# Altium PCB STM32F207VC_Mini.PcbDoc
Units mil, origin at the board's own origin, x right, y up, seen from the top; angles counter-clockwise.
Board outline 2755.91 x 2756.69 mil, 2 copper layers (Top Layer, Bottom Layer); 60 components, 104 nets, 313 pads, 50 vias.
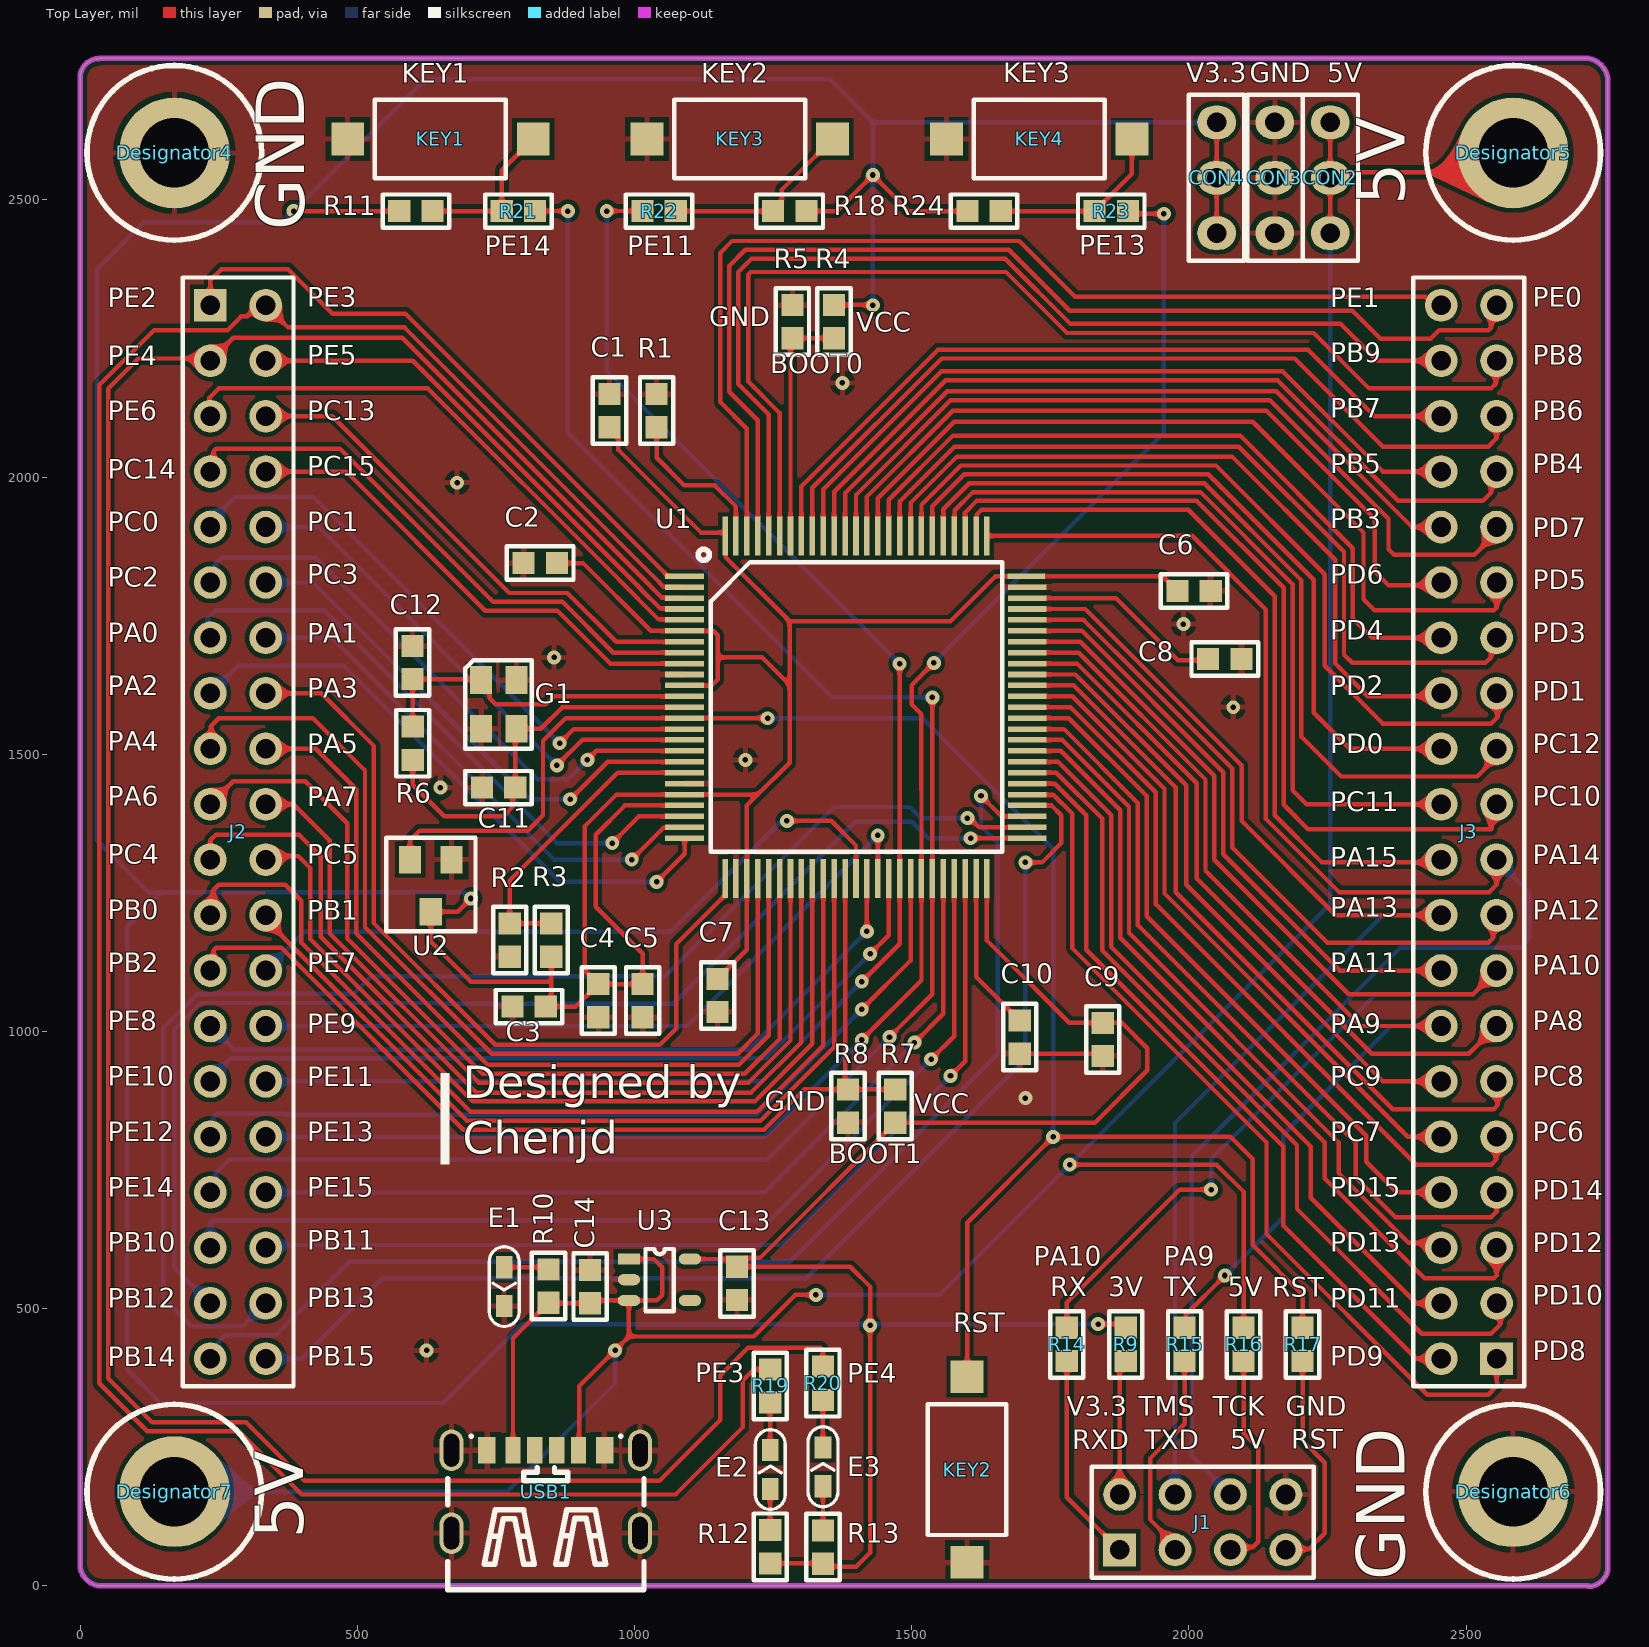
[diagram p0: Top Layer view]
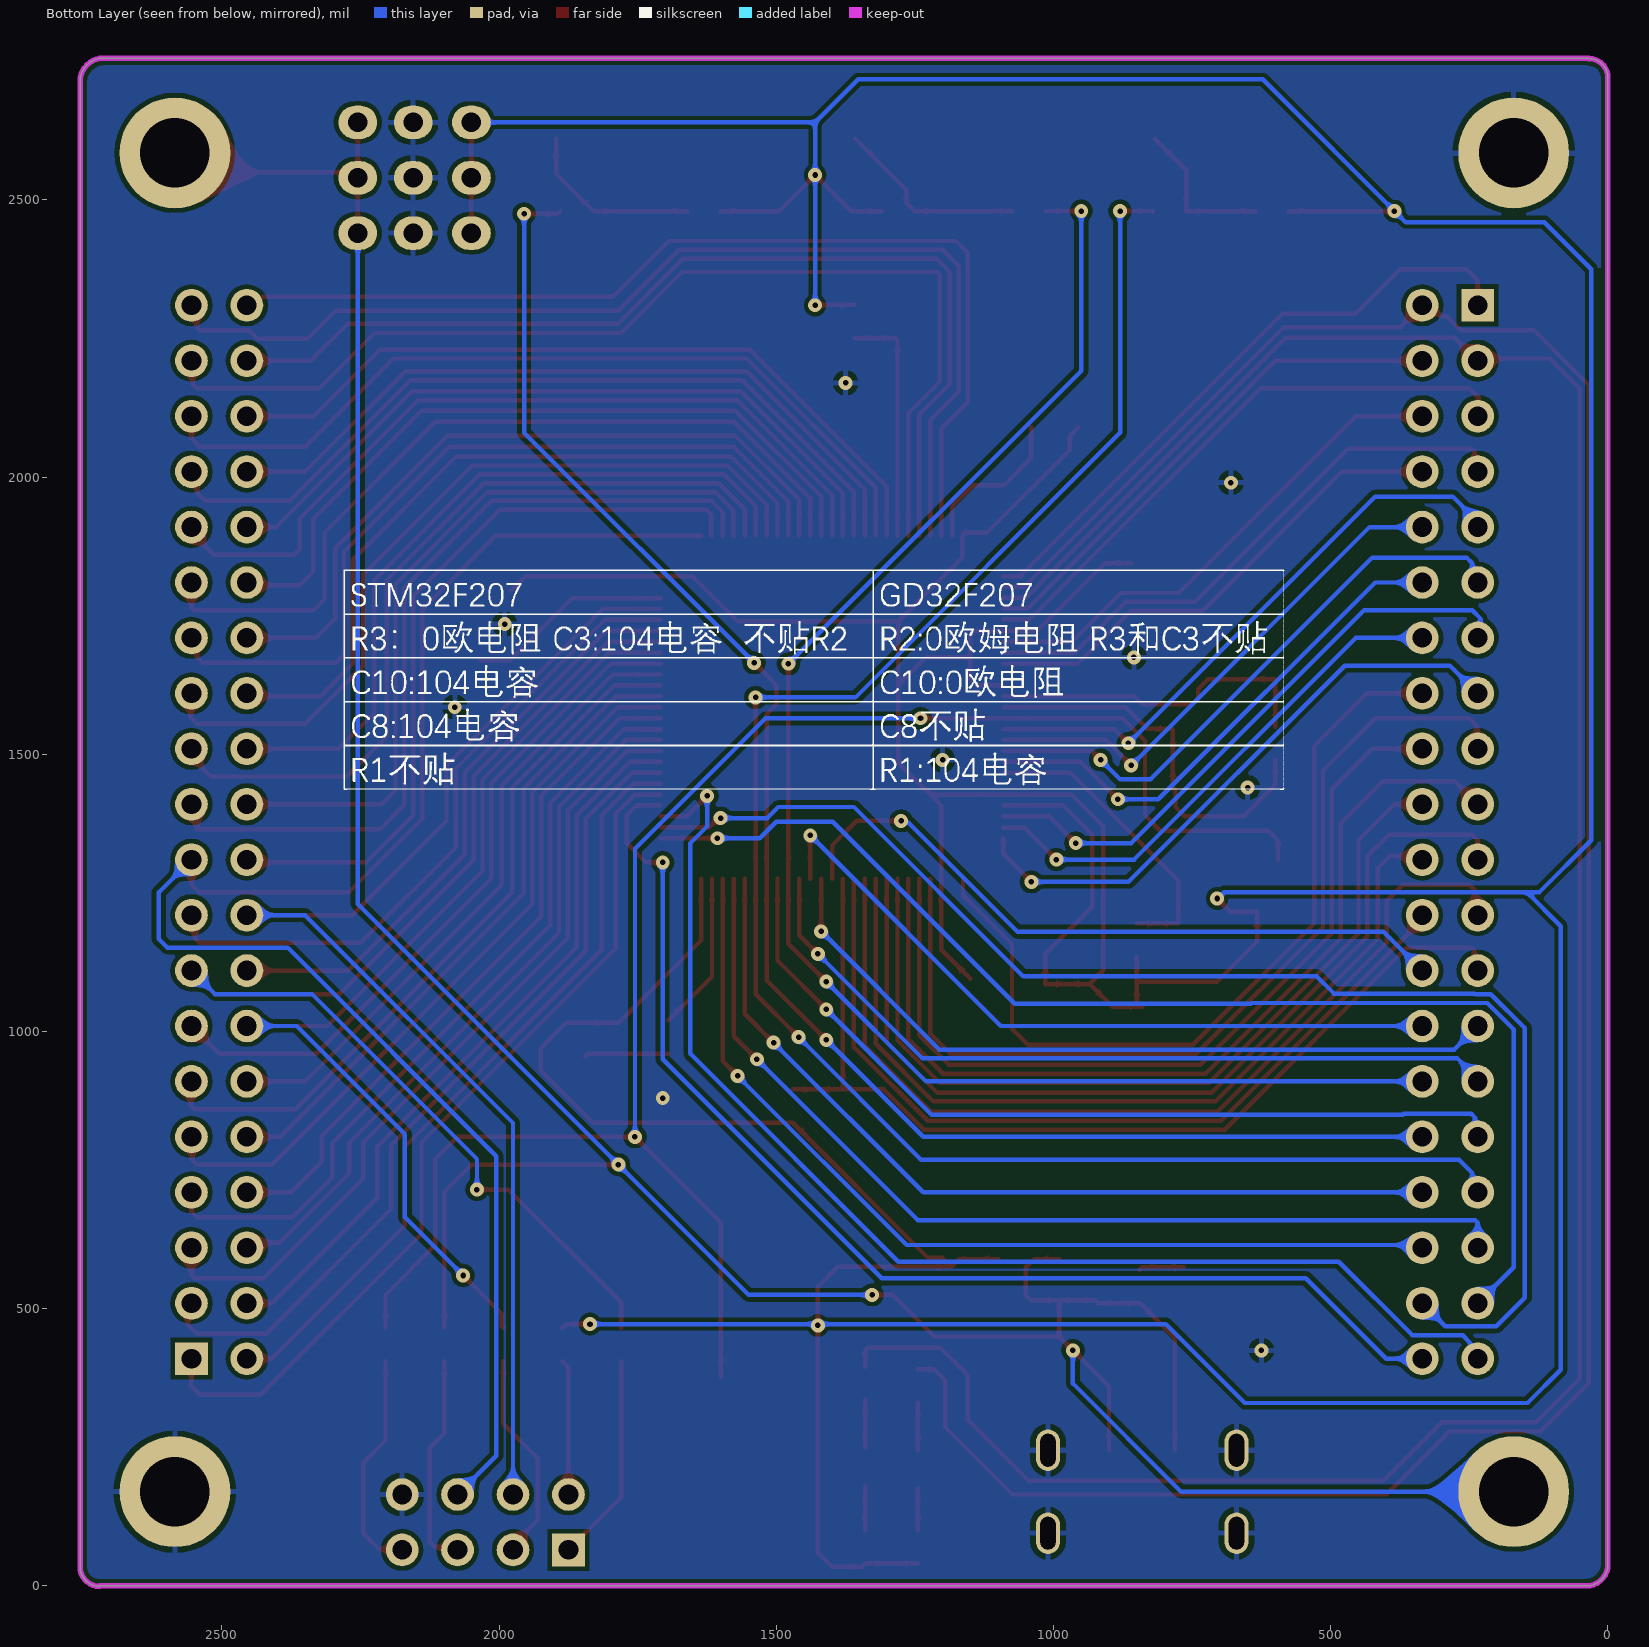
[diagram p1: Bottom Layer view, seen from below]

## Layer stack, top to bottom
Top Solder: solder mask 0.4, Solder Resist, Dk 3.5
Top Layer: signal copper 1.4
Dielectric 1: dielectric 12.6, FR-4, Dk 4.8
Bottom Layer: signal copper 1.4
Bottom Solder: solder mask 0.4, Solder Resist, Dk 3.5

## Board outline
0,39.37 0,2720.56 cw(c34.56,2720.56) 34.56,2755.12 34.56,2755.91 2713.38,2755.91 cw(c2713.38,2713.38) 2755.91,2713.38 2755.91,34.56 cw(c2720.56,34.56) 2720.56,-0.78 2720.56,0 39.37,0 cw(c39.37,39.37)

## Design rules (kind name [scope] priority, off if disabled: settings)
Clearance [All] p1: gap=8 ignorepadtopadclearanceinfootprint=FALSE except(0: Arc-Hole Track-Hole SMDPad-Hole THPad-Hole Via-Hole Fill-Hole Poly-Hole Region-Hole Text-Hole)
PolygonConnect [All] p1: connectstyle=Relief reliefconductorwidth=10 reliefentries=4 polygonreliefangle="90 Angle" airgapwidth=10
RoutingVias [All] p1: holewidth=7.87 width=19.68 viastyle="Through Hole" minholewidth=28 minwidth=50 maxholewidth=28 maxwidth=50
SolderMaskExpansion [All] p1: expansion=4 istentingtop=FALSE
Width [All] p1: maxlimit=8 minlimit=8 preferedwidth=8
30 further rules are at their usual default settings.

## Classes and differential pairs
component class STM32F207VC_Mini: C1 C2 C3 C4 C5 C6 C7 C8 C9 C10 C11 C12 C13 C14 CON2 CON3 CON4 E1 E2 E3 G1 J1 J2 J3 KEY1 KEY3 KEY4 R1 R2 R3 R4 R5 R6 R7 R8 R9 R10 R11 R12 R13 R14 R15 R16 R17 R18 R19 R20 R21 R22 R23 R24 U1 U2 U3 USB1

## Components (designator, comment, footprint, x,y, rotation, side; value= is the part's Value field where it differs from the comment)
C1 "4.7u" 0603 954.77,2090.68 r90 top
C2 "104" 0603 800.68,1845.23 r0 top
C3 "104" 0603 780.68,1045.23 r0 top
C4 "105" 0603 935,1085 r270 top
C5 "104" 0603 1015,1085 r270 top
C6 "104" 0603 1980,1795 r0 top
C7 "104" 0603 1150.23,1094.32 r270 top
C8 "2.2u" 0603 2094.06,1671.81 r180 top
C9 "104" 0603 1845,1015 r270 top
C10 "2.2u" 0603 1694.77,960.68 r90 top
C11 "18pF" 0603 725.68,1440.23 r0 top
C12 "18pF" 0603 600,1695 r270 top
C13 "10uF" 0603 1185,575 r270 top
C14 "10uF" 0603 919.77,510.68 r90 top
CON2 "CON3" "3 PIN" 2255,2440 r90 top
CON3 "CON3" "3 PIN" 2155,2440 r90 top
CON4 "CON3" "3 PIN" 2050,2440 r90 top
Designator4 "Comment" M3x10_L 170,2585 r0 top
Designator5 "Comment" M3x10_L 2585,2585 r0 top
Designator6 "Comment" M3x10_L 2585,170 r0 top
Designator7 "Comment" M3x10_L 170,170 r0 top
E1 "LED" LED_0603L 765,585 r270 top
E2 "LED" LED_0603L 1245,165 r90 top
E3 "LED" LED_0603L 1340,170 r90 top
G1 "25MHz(无源贴片)" G3225 755,1590 r270 top
J1 "Female HDR2X4" Fe-HDR2X4/2.54-S 1875,65 r0 top
J2 "Pin HDR2X20" "Pin HDR2X20/2.54mm-S" 235,2310 r270 top
J3 "Pin HDR2X20" "Pin HDR2X20/2.54mm-S" 2555,410 r90 top
KEY1 "H-3650AADW(NC)" SW_PB_2P 650,2610 r180 top value=SW_PB_2P
KEY2 "H-3650AADW(NC)" SW_PB_2P 1600,210 r270 top value=SW_PB_2P
KEY3 "H-3650AADW(NC)" SW_PB_2P 1190,2610 r180 top value=SW_PB_2P
KEY4 "H-3650AADW(NC)" SW_PB_2P 1730,2610 r180 top value=SW_PB_2P
R1 "0" 0603 1039.77,2090.68 r90 top
R2 "0" 0603 774.77,1135.68 r90 top
R3 "0" 0603 849.77,1135.68 r90 top
R4 "1k" 0603 1360,2310 r270 top
R5 "1k" 0603 1285,2310 r270 top
R6 "1M" 0603 599.77,1490.68 r90 top
R7 "1K" 0603 1470,836.26 r90 top
R8 "1k" 0603 1385,836.26 r90 top
R9 "0" 0603 1885.84,406.37 r90 top
R10 "1K" 0603 845,570 r270 top
R11 "1k" 0603 635,2479.53 r180 top
R12 "1k" 0603 1245,100 r270 top
R13 "1k" 0603 1340.23,99.32 r270 top
R14 "0" 0603 1780,465 r270 top
R15 "0" 0603 1992.62,465 r270 top
R16 "0" 0603 2098.93,465 r270 top
R17 "0" 0603 2205.23,465 r270 top
R18 "1k" 0603 1250.68,2480 r0 top
R19 "0" 0603 1245,390 r270 top
R20 "0" 0603 1340,395 r270 top
R21 "0" 0603 820,2479.53 r180 top
R22 "0" 0603 1015,2480 r0 top
R23 "0" 0603 1889.32,2479.53 r180 top
R24 "1k" 0603 1660,2479.53 r180 top
U1 "STM32F207VCT6" LQFP-100 1400,1585 r0 top
U2 "MAX809" SOT32-809 595.2,1310.52 r270 top
U3 "SPX3819" SOT-23-5 990,589.8 r0 top
USB1 "TYPE-C 6P(073)" USB-C-6P 840,170 r0 top

## Footprints (in the part's own frame and the unit in brackets; to place one, negate y for a bottom-side part, rotate by r counter-clockwise, add the part's x,y. Pads: shape width x height; smd on the part's side, far side on the other; paste and mask are expansions set on the pad)
"3 PIN" [mil] "3脚传感器"
  oval 60x70 hole 35: 1(0,0) 2(100,0) 3(200,0)
  silkscreen extent -50,-50 250,50, body extent -50,-55 250,45, height 453
0603 [mil] "0603封装"
  rect 40x40 smd: 1(-0.68,-0.23) 2(59.32,-0.23)
  silkscreen extent -31,-30 89,30, body extent -1,-16 62,16, height 18
Fe-HDR2X4/2.54-S [mm] "Connector; Header; 4x2 Position"
  rect 1.5x1.5 hole 0.9: 1(0,0)
  round 1.5 hole 0.9: 2(0,2.54) 3(2.54,0) 4(2.54,2.54) 5(5.08,0) 6(5.08,2.54) 7(7.62,0) 8(7.62,2.54)
  silkscreen extent -1.27,-1.27 8.89,3.81, body extent -1.27,-1.23 9.14,3.77, height 8.5
G3225 [mil] "3225贴片晶振"
  rect 50x40 smd: 1(-44,-32) 2(44,-32) 3(44,32) 4(-44,32)
  silkscreen extent -80,-60 80,60, body extent -63,-49 63,49, height 32
LED_0603L [mil] "LED"
  rect 40x30 smd: 1(10,0) 2(80,0)
  silkscreen extent -27,-27 117,27, body extent 14,-16 77,16, height 24
LQFP-100 [mil]
  rect 70x10 smd: 1(-309.5,236.22) 2(-309.5,216.53) 3(-309.5,196.85) 4(-309.5,177.16) 5(-309.5,157.48) 6(-309.5,137.79) 7(-309.5,118.11) 8(-309.5,98.42) 9(-309.5,78.74) 10(-309.5,59.05) 11(-309.5,39.37) 12(-309.5,19.68) 13(-309.5,0) 14(-309.5,-19.69) 15(-309.5,-39.37) 16(-309.5,-59.06) 17(-309.5,-78.74) 18(-309.5,-98.43) 19(-309.5,-118.11) 20(-309.5,-137.8) 21(-309.5,-157.48) 22(-309.5,-177.17) 23(-309.5,-196.85) 24(-309.5,-216.54) 25(-309.5,-236.22) 51(308.61,-236.22) 52(308.61,-216.54) 53(308.61,-196.85) 54(308.61,-177.17) 55(308.61,-157.48) 56(308.61,-137.8) 57(308.61,-118.11) 58(308.61,-98.43) 59(308.61,-78.74) 60(308.61,-59.06) 61(308.61,-39.37) 62(308.61,-19.69) 63(308.61,0) 64(308.61,19.68) 65(308.61,39.37) 66(308.61,59.05) 67(308.61,78.74) 68(308.61,98.42) 69(308.61,118.11) 70(308.61,137.79) 71(308.61,157.48) 72(308.61,177.16) 73(308.61,196.85) 74(308.61,216.53)
  rect 10x70 smd: 26(-236.67,-309.06) 27(-216.98,-309.06) 28(-197.3,-309.06) 29(-177.61,-309.06) 30(-157.93,-309.06) 31(-138.24,-309.06) 32(-118.55,-309.06) 33(-98.87,-309.06) 34(-79.18,-309.06) 35(-59.5,-309.06) 36(-39.82,-309.06) 37(-20.13,-309.06) 38(-0.45,-309.06) 39(19.24,-309.06) 40(38.93,-309.06) 41(58.61,-309.06) 42(78.3,-309.06) 43(97.98,-309.06) 44(117.66,-309.06) 45(137.35,-309.06) 46(157.03,-309.06) 47(176.72,-309.06) 48(196.41,-309.06) 49(216.09,-309.06) 50(235.78,-309.06) 76(235.78,309.05) 77(216.09,309.05) 78(196.41,309.05) 79(176.72,309.05) 80(157.04,309.05) 81(137.35,309.05) 82(117.67,309.05) 83(97.98,309.05) 84(78.3,309.05) 85(58.61,309.05) 86(38.93,309.05) 87(19.24,309.05) 88(-0.44,309.05) 89(-20.13,309.05) 90(-39.81,309.05) 91(-59.5,309.05) 92(-79.18,309.05) 93(-98.87,309.05) 94(-118.55,309.05) 95(-138.24,309.05) 96(-157.93,309.05) 97(-177.61,309.05) 98(-197.3,309.05) 99(-216.98,309.05) 100(-236.66,309.05)
  rect 68x10 smd: 75(306.61,236.22)
  silkscreen extent -285,-261 263,285, body extent -316,-321 315,309, height 57
M3x10_L [mil] "M3铜柱，长：10mm"
  round 200 hole 125: 1(0,0)
  silkscreen extent -157,-157 157,157, body extent -106,-93 106,93, height 396
"Pin HDR2X20/2.54mm-S" [mm] "Connector; Header; 20x2 Position"
  rect 1.5x1.5 hole 0.9: 1(0,0)
  round 1.5 hole 0.9: 2(0,2.54) 3(2.54,0) 4(2.54,2.54) 5(5.08,0) 6(5.08,2.54) 7(7.62,0) 8(7.62,2.54) 9(10.16,0) 10(10.16,2.54) 11(12.7,0) 12(12.7,2.54) 13(15.24,0) 14(15.24,2.54) 15(17.78,0) 16(17.78,2.54) 17(20.32,0) 18(20.32,2.54) 19(22.86,0) 20(22.86,2.54) 21(25.4,0) 22(25.4,2.54) 23(27.94,0) 24(27.94,2.54) 25(30.48,0) 26(30.48,2.54) 27(33.02,0) 28(33.02,2.54) 29(35.56,0) 30(35.56,2.54) 31(38.1,0) 32(38.1,2.54) 33(40.64,0) 34(40.64,2.54) 35(43.18,0) 36(43.18,2.54) 37(45.72,0) 38(45.72,2.54) 39(48.26,0) 40(48.26,2.54)
  silkscreen extent -1.27,-1.27 49.53,3.81, body extent -1.27,-1.27 49.53,3.81, height 7.58
SOT32-809 [mil] "ESD"
  rect 50x40 smd: 1(0.52,74.8) 2(0.52,0) 3(94.43,37.4)
  silkscreen extent -39,-43 129,118, body extent 5,-24 96,94, height 28
SOT-23-5 [mil] "SPX3819"
  rect 40x20 smd: 1(0,0)
  oval 40x20 smd: 2(0,-37.4) 3(0,-74.8) 4(110,-74.8) 5(110,0)
  silkscreen extent 30,-94 81,18, body extent -13,-100 125,18, height 43
SW_PB_2P [mm] "2脚贴片按钮"
  rect 1.5x1.5 smd: 1(-4.25,0) 2(4.25,0)
  silkscreen extent -3,-1.8 3,1.8, body extent -3.28,-1.57 3.32,1.63, height 1.9
USB-C-6P [mm] "USB type C 6P"
  oval 1.1x1.9 hole 0.7 slot 1.5 at 90 deg: 7(-4.32,-1.9) 7(-4.32,1.9) 7(4.32,-1.9) 7(4.32,1.9)
  rect 0.7x1.2 smd: A5(-0.5,1.9) A9(1.5,1.9) B5(0.5,1.9) B9(-1.5,1.9)
  rect 0.8x1.2 smd: A12(2.7,1.9) B12(-2.7,1.9)
  silkscreen extent -4.5,-4.5 4.5,2.55, body extent -4.4,-4.49 4.54,2.31, height 4.06

## Part data
C1 C2 C3 C4 C5 C6 C7 C8 C9 C10: library part CAP, "贴片电容"
C11 C12: library part CAP, "无极电容"
C13 C14: library part "CAP Nonpolarity", "无极电容"
CON2 CON3 CON4: "3 pin"
E1 E2 E3: "LED灯"
G1: library part MM-11B, "无源晶振MCU使用"
KEY1 KEY2 KEY3 KEY4: library part SW_PB_2P, "贴片按钮-2PIN(NC)", Manufacturer=?, CLASS=IO, Manufacturer_Part_Number=?, MFG_NAME01=?, MFG_PN01=?, PCB DECAL=SWEVQPA, Source_Path=E:\PROJECT\FREESCALE\IMX6\SCH\IMX_LIBRARY.OLB
R1 R2 R3 R4 R5 R6 R7 R8 R9 R10 R11 R12 R13 R14 R15 R16 R17 R18 R19 R20 R21 R22 R23 R24: library part R, "电阻"
U1: library part STM32F207-1
U2: "复位IC"
U3: "稳压器"
USB1: library part "USB-TYPE-C 6P", "6脚usb type-c接口", BOM_Manufacturer="SHOU HAN", BOM_Manufacturer Part="TYPE-C 6P(073)", BOM_Supplier=LCSC, BOM_Supplier Part=C668623, Contributor=LCSC, spicePre=U, spiceSymbolName="TYPE-C 6P(073)"

## Via types
v1: diameter 25, hole 10, Top Layer to Bottom Layer, tented both sides, 50 vias

## Nets (pads, with @x,y where several pads share a name; then routed paths per layer and width w, separated by ;. In a path a pad name is that pad's centre, name@x,y a point inside that pad or via, vN(x,y) a via of type N, cw(c..) or ccw(c..) an arc to the next point about the centre after c; other vN are vias at no path point)
BOOT0: R4.2 R5.2 U1.94 | length 433
  Top Layer w8: U1.94 1281.45,2247.36 R5.2 R4.2
BOOT1: J2.25 R7.2 R8.2 U1.37 | length 1819.3
  Top Layer w8: J2.25 240.89,1115.89 240.89,1146.84 245.57,1151.53 362.71,1151.53 691.24,823 1233.76,823 1306.34,895.57 R8.2 ; U1.37 1379.87,900.94 R8.2 ; R7.2 R8.2
GND: C1.2 C2.1 C3.1 C4.2 C5.2 C6.2 C7.2 C8.1 C9.2 C10.1 C11.1 C12.1 C13.2 C14.2 CON3.1 CON3.2 CON3.3 Designator4.1 Designator6.1 E1.2 G1.2 G1.4 J1.8 KEY1.2 KEY2.2 KEY3.2 KEY4.2 R1.2 R2.1 R5.1 R8.1 U1.10 U1.20 U1.27 U1.74 U2.1 U3.2 USB1.7 USB1.A12 USB1.B12 | length 151.6
  Top Layer w8: C10.1 1840.45,960 C9.2
  other v1: 625,425 1705,880 650,1440 1200,1490 2080,1585 855,1675 1990,1735 680,1990 1375,2170
Jlink_TCK: J1.6 J3.19 U1.76 | length 3034.9
  Top Layer w8: U1.76 2005.95,1894.05 2139,1761 2139,1383.37 2270.85,1251.53 2541.53,1251.53 2555,1265 J3.19
  Bottom Layer w8: J1.6 2005,235 2005,775 2381.53,1151.53 2598.47,1151.53 2614,1167.06 2614,1251 J3.19
Jlink_TMS: J1.4 J3.18 U1.72 | length 2339.1
  Top Layer w8: U1.72 1812.93,1762.16 2095,1480.09 2095,1380 2265,1210 J3.18
  Bottom Layer w8: J1.4 1975,835 2350,1210 J3.18
KEY1: J2.33 R21.1 U1.45 | length 3314.8
  Top Layer w8: R21.1 820.92,2480 v1(880,2480) ; v1(1460,990) 1537.35,1067.35 U1.45 v1(1537.35,1602.65)
  Bottom Layer w8: J2.33 244.77,719.77 244.77,744.77 268.47,768.47 1238.47,768.47 v1(1460,990) ; v1(880,2480) 880,2080 1357.35,1602.65 v1(1537.35,1602.65)
KEY2: J2.30 R22.1 U1.42 | length 2851.1
  Top Layer w8: v1(950,2480) 1014.08,2480 R22.1 ; v1(1410,1090) 1478.3,1158.3 U1.42 v1(1478.3,1663.3)
  Bottom Layer w8: J2.30 1230,910 v1(1410,1090) ; v1(950,2480) 950,2191.59 v1(1478.3,1663.3)
KEY3: J2.32 R23.1 U1.44 | length 2944.8
  Top Layer w8: v1(1410,985) 1517.66,1092.66 U1.44 1517.66,1436.24 1517.61,1436.29 1517.61,1572.39 1500,1590 1500,1625 v1(1540,1665) ; R23.1 1894.77,2475 v1(1955,2475)
  Bottom Layer w8: J2.32 1235,810 v1(1410,985) ; v1(1540,1665) 1955,2080 v1(1955,2475)
MCU_LED: J2.3 R20.1 U1.3 | length 4604.8
  Top Layer w8: U1.3 1089.5,1782.85 1049.27,1782.85 1027.5,1804.62 1027.5,1805.13 581.1,2251.53 276.53,2251.53 J2.3 231,2214 105,2214 50.5,2159.5 50.5,374.5 130,295 300,295 405,190 1045,190 1155,300 1155,380 1205,430 1335.08,430 1339.77,425.31 R20.1
MCU_LED2: J2.2 R19.1 U1.2 | length 4563.8
  Top Layer w8: U1.2 1089.5,1802.53 1052.21,1802.53 1043.5,1811.25 1043.5,1811.75 585.25,2270 375,2270 J2.2 321.18,2310 301.18,2290 290,2290 290,2288.97 266.03,2265 133.37,2265 34.5,2166.13 34.5,365.5 121,279 286,279 400,165 1074.08,165 1195,285.92 1195,370 1215.68,390.68 R19.1
MCU_RST: KEY2.1 R17.1 U1.14 U2.2 | length 3197.4
  Top Layer w8: U2.2 595.2,1345.2 612.4,1362.4 807.4,1362.4 835,1390 835,1524.65 875.67,1565.31 U1.14 1239.69,1565.31 v1(1240,1565) ; KEY2.1 1600,655 v1(1755,810) 2075,810 2115,770 2115,615 2205,525 R17.1
  Bottom Layer w8: v1(1240,1565) 1519.65,1565 1755,1329.65 v1(1755,810)
MCU_RXD: J3.15 R14.1 U1.69 | length 2316.9
  Top Layer w8: U1.69 1804.1,1703.11 2046,1461.21 2046,1310 2288.47,1067.53 2512.53,1067.53 J3.15 ; R14.1 1780,465.92 1780,511.57 1983.43,715 v1(2040,715)
  Bottom Layer w8: v1(2040,715) 2040,770 2337.62,1067.62 2512.62,1067.62 J3.15
MCU_TXD: J3.14 R15.1 U1.68 | length 1910.8
  Top Layer w8: U1.68 1801.16,1683.42 2030,1454.58 2030,1290 2310,1010 J3.14 J3.14@2455.26,1010.26 ; R15.1 1995,468.3 1995,490 v1(2065,560)
  Bottom Layer w8: v1(2065,560) 2170,665 2170,815 2365,1010 J3.14
NetC8_2: C8.2 U1.73 | length 373.3
  Top Layer w8: U1.73 1868.15,1781.85 1980,1670 2032.7,1670 C8.2
NetC10_2: C10.2 U1.49 | length 288.6
  Top Layer w8: U1.49 1616.09,1098.91 C10.2
NetE1_1: E1.1 R10.1 | length 81.6
  Top Layer w8: E1.1 840.45,575 R10.1
NetE2_1: E2.1 R12.1 | length 74.4
  Top Layer w8: R12.1 1244.77,174.77 E2.1
NetE2_2: E2.2 R19.2 | length 85.8
  Top Layer w8: R19.2 1244.77,245.23 E2.2
NetE3_1: E3.1 R13.1 | length 80
  Top Layer w8: R13.1 E3.1
NetE3_2: E3.2 R20.2 | length 85.8
  Top Layer w8: R20.2 1339.77,250.23 E3.2
NetJ1_1: J1.1 R14.2 | length 380.1
  Top Layer w8: R14.2 1779.77,160.23 J1.1
NetJ1_2: J1.2 R9.1 | length 245.3
  Top Layer w8: J1.2 1875,394.61 R9.1
NetJ1_3: J1.3 R15.2 | length 385.2
  Top Layer w8: J1.3 1975,75 1930,120 1930,230 1992.38,292.38 R15.2
NetJ1_5: J1.5 R16.2 | length 392.8
  Top Layer w8: J1.5 2080,70 2115,70 2125,80 2125,249.19 2098.69,275.5 R16.2
NetJ1_7: J1.7 R17.2 | length 409.7
  Top Layer w8: J1.7 2176.53,66.53 2216.53,66.53 2245,95 2245,222.34 2205,262.34 R17.2
NetKEY1_1: KEY1.1 R11.1 R21.2 | length 278.7
  Top Layer w8: R11.1 R21.2 760.68,2553.36 KEY1.1
NetKEY3_1: KEY3.1 R18.1 R22.2 | length 350.4
  Top Layer w8: R22.2 R18.1 1266,2495.77 1266,2518.68 KEY3.1
NetKEY4_1: KEY4.1 R23.2 R24.1 | length 327.4
  Top Layer w8: R24.1 R23.2 1897.32,2547.09 KEY4.1
NetR1_1: R1.1 U1.99 | length 287.4
  Top Layer w8: R1.1 1040,2035 1090,1985 1145,1985 1183.02,1946.98 U1.99
NetR2_2: R2.2 R3.2 U1.19 | length 548.4
  Top Layer w8: R3.2 R2.2 775,1272.37 969.52,1466.89 U1.19
OSCIN: C12.2 G1.1 R6.2 U1.12 | length 611.5
  Top Layer w8: R6.2 599.77,1550.23 C12.2 721.32,1635.68 G1.1 739,1618 739,1601 750,1590 840,1590 854.68,1604.68 U1.12
OSCOUT: C11.2 G1.3 R6.1 U1.13 | length 718.9
  Top Layer w8: R6.1 600,1445 656.69,1388.31 763.31,1388.31 780,1405 780,1435 C11.2 785,1544 G1.3 831,1546 870,1585 U1.13
PA0: J2.13 U1.23 | length 1097.7
  Top Layer w8: v1(960,1340) 1008.15,1388.15 U1.23
  Bottom Layer w8: J2.13 230,1715 230,1745 245,1760 440,1760 860,1340 v1(960,1340)
PA1: J2.14 U1.24 | length 945.4
  Top Layer w8: v1@995,1310 v1(995,1310.25) 1052.21,1367.46 1089.5,1367.46 U1.24
  Bottom Layer w8: J2.14 455,1710 854.75,1310.25 v1(995,1310.25)
PA2: J2.15 U1.25 | length 1086.9
  Top Layer w8: v1(1040,1270) 1090.5,1320.5 U1.25
  Bottom Layer w8: J2.15 285,1660 475,1660 865,1270 v1(1040,1270)
PA3: J2.16 U1.26 | length 1509.6
  Top Layer w8: J2.16 435,1610 530,1515 530,1195 749,976 1046,976 1075,1005 1075,1157.61 1163.33,1245.94 U1.26
PA4: J2.17 U1.29 | length 1744.4
  Top Layer w8: J2.17 236.53,1511.53 236.53,1551.53 250,1565 420,1565 514,1471 514,1188.37 742.37,960 1186.05,960 1222.39,996.34 U1.29
PA5: J2.18 U1.30 | length 1600.1
  Top Layer w8: J2.18 425,1510 498,1437 498,1177 735,940 1188.68,940 1242.07,993.4 U1.30
PA6: J2.19 U1.31 | length 1699.3
  Top Layer w8: J2.19 276.53,1451.53 406.1,1451.53 482,1375.63 482,1168 726,924 1199,924 1261.76,986.76 U1.31
PA7: J2.20 U1.32 | length 1576.1
  Top Layer w8: J2.20 385,1410 450,1345 450,1177.37 719.37,908 1205.63,908 1281.45,983.82 U1.32
PA8: J3.13 U1.67 | length 1259.3
  Top Layer w8: U1.67 1798.22,1663.74 2014,1447.96 2014,1276 2330,960 2505,960 J3.13
PA11: J3.16 U1.70 | length 1086.8
  Top Layer w8: U1.70 1807.04,1722.79 2062,1467.84 2062,1320 2272,1110 J3.16
PA12: J3.17 U1.71 | length 1212.3
  Top Layer w8: U1.71 1809.99,1742.48 1918.47,1634 2078,1474.47 2078,1332 2250,1160 2540,1160 2548.47,1168.47 2548.47,1203.47 J3.17
PA15: J3.20 U1.77 | length 1377.1
  Top Layer w8: U1.77 1617.09,1895.05 1617.09,1932.34 1625.81,1941.05 1998.95,1941.05 2155,1785 2155,1390 2240,1305 2450,1305 J3.20
PB0: J2.23 U1.35 | length 1716.4
  Top Layer w8: J2.23 240,1215 240,1255 250,1265 370,1265 399,1236 399,1160.49 704.49,855 1220.51,855 1340.5,974.99 U1.35
PB1: J2.24 U1.36 | length 1542.6
  Top Layer w8: J2.24 335,1201.86 697.86,839 1227.14,839 1360.18,972.05 U1.36
PB3: J3.32 U1.89 | length 1329.7
  Top Layer w8: U1.89 1379.87,1970.89 1563.98,2155 2157.37,2155 2402.37,1910 J3.32
PB4: J3.33 U1.90 | length 1486
  Top Layer w8: U1.90 1360.19,1973.83 1561.35,2175 2160,2175 2377.5,1957.5 2530.31,1957.5 2545.23,1972.42 2545.23,2000.23 J3.33
PB5: J3.34 U1.91 | length 1361.6
  Top Layer w8: U1.91 1340.5,1977.87 1553.63,2191 2169,2191 2350,2010 J3.34
PB6: J3.35 U1.92 | length 1529.6
  Top Layer w8: U1.92 1320.82,1980.82 1554,2214 2191,2214 2350,2055 2540,2055 2555,2070 J3.35
PB7: J3.36 U1.93 | length 1395.3
  Top Layer w8: U1.93 1301.13,1983.76 1547.37,2230 2215,2230 2335,2110 J3.36
PB8: J3.37 U1.95 | length 1977.8
  Top Layer w8: U1.95 1261.76,2115.87 1205,2172.63 1205,2365.31 1209.69,2370 1670,2370 1780,2260 2225,2260 2325,2160 2545,2160 2553.47,2168.47 2553.47,2208.47 J3.37
PB9: J3.38 U1.96 | length 1852.9
  Top Layer w8: U1.96 1242.07,2112.93 1187,2168 1187,2369.94 1211.06,2394 1668.63,2394 1786.31,2276.31 2273.69,2276.31 2340,2210 J3.38
PB10: J2.35 U1.47 | length 1810.6
  Top Layer w8: v1(1535,950) 1576.72,991.72 U1.47
  Bottom Layer w8: J2.35 235,655.31 239.69,660 1245,660 v1(1535,950)
PB11: J2.36 U1.48 | length 1730.3
  Top Layer w8: v1(1570,920) 1596.41,946.4 U1.48
  Bottom Layer w8: J2.36 340,615 1265,615 v1(1570,920)
PB12: J2.37 U1.51 | length 2228
  Top Layer w8: v1(1606.22,1348.78) U1.51
  Bottom Layer w8: J2.37 170,575 170,1003.73 217.8,1051.53 643.14,1051.53 644.66,1050 1070,1050 1398.43,1378.43 1500.38,1378.43 1530.02,1348.78 v1(1606.22,1348.78)
PB13: J2.38 U1.52 | length 2448.8
  Top Layer w8: v1(1600.5,1385) 1605,1385 1621.54,1368.46 U1.52
  Bottom Layer w8: J2.38 293.47,468.47 201.53,468.47 150,520 150,1006.36 211.17,1067.53 239.06,1067.53 240,1068.47 494.24,1068.47 525.76,1100 1055,1100 1360,1405 1496.43,1405 1516.43,1385 v1(1600.5,1385)
PB14: J2.39 U1.53 | length 2232.9
  Top Layer w8: v1(1625,1425) 1661.85,1388.15 U1.53
  Bottom Layer w8: J2.39 235,423.82 250,438.82 250,440 262.11,452.11 352.65,452.11 485.55,585 1280,585 1655,960 1655,1340 1625,1370 v1(1625,1425)
PB15: J2.40 U1.54 | length 2146.9
  Top Layer w8: v1(1705,1305) 1735,1305 1770,1340 1770,1390 1752.17,1407.83 U1.54
  Bottom Layer w8: J2.40 400,410 545,555 1310,555 1705,950 v1(1705,1305)
PC0: J2.9 U1.15 | length 1079.1
  Top Layer w8: v1(865,1520) 890.63,1545.63 U1.15
  Bottom Layer w8: J2.9 235,1920 280,1965 420,1965 v1(865,1520)
PC1: J2.10 U1.16 | length 952.8
  Top Layer w8: v1(860,1480) 860,1480.35 905.59,1525.94 U1.16
  Bottom Layer w8: J2.10 430,1910 v1(860,1480)
PC2: J2.11 U1.17 | length 1075.7
  Top Layer w8: v1(915,1490) 931.26,1506.26 U1.17
  Bottom Layer w8: J2.11 244.77,1819.77 244.77,1844.77 255,1855 425,1855 825,1455 880,1455 v1(915,1490)
PC3: J2.12 U1.18 | length 945.5
  Top Layer w8: v1(883.97,1418.97) 951.57,1486.57 U1.18
  Bottom Layer w8: J2.12 420,1810 811.03,1418.97 v1(883.97,1418.97)
PC4: J2.21 U1.33 | length 1715.7
  Top Layer w8: J2.21 235,1345 245,1355 395,1355 434,1316 434,1170.75 714.75,890 1210.25,890 1301.13,980.88 U1.33
PC5: J2.22 U1.34 | length 1587.9
  Top Layer w8: J2.22 341.69,1316.69 393.31,1316.69 415,1295 415,1167.12 708.12,874 1216.88,874 1320.82,977.93 U1.34
PC6: J3.9 U1.63 | length 1350.4
  Top Layer w8: U1.63 1786.45,1585 1940,1431.45 1940,1230 2410,760 2545.31,760 2553.79,768.47 2553.79,808.79 J3.9
PC7: J3.10 U1.64 | length 1186.3
  Top Layer w8: U1.64 1789.39,1604.68 1956,1438.07 1956,1249 2395,810 J3.10
PC8: J3.11 U1.65 | length 1322.2
  Top Layer w8: U1.65 1792.33,1624.37 1976.31,1440.39 1976.31,1251.31 2367.63,860 2550,860 2556.69,866.69 2556.69,908.31 J3.11
PC9: J3.12 U1.66 | length 1155.5
  Top Layer w8: U1.66 1795.27,1644.05 1995,1444.33 1995,1265 2350,910 J3.12
PC10: J3.21 U1.78 | length 1523.3
  Top Layer w8: U1.78 1596.41,1936.41 1617.05,1957.05 2014.35,1957.05 2171,1800.4 2171,1409 2215,1365 2545.31,1365 2545.31,1400.31 J3.21
PC11: J3.22 U1.79 | length 1388.7
  Top Layer w8: U1.79 1577.72,1895.05 1577.72,1940.35 1610.43,1973.05 2020.98,1973.05 2187,1807.03 2187,1435 2212,1410 J3.22
PC12: J3.23 U1.80 | length 1479.2
  Top Layer w8: U1.80 1557.04,1942.29 1603.8,1989.05 2027.6,1989.05 2203,1813.66 2203,1532 2275,1460 2520,1460 2532.62,1472.62 2532.62,1473.8 2555,1496.18 J3.23
PC13: J2.6 U1.7 | length 924
  Top Layer w8: J2.6 455,2110 774,1791 879,1791 966.89,1703.11 U1.7
PC14: J2.7 U1.8 | length 1043.3
  Top Layer w8: J2.7 240.89,2015.89 240.89,2046.84 245.57,2051.53 468.47,2051.53 745,1775 870,1775 961.58,1683.42 U1.8
PC15: J2.8 U1.9 | length 898.9
  Top Layer w8: J2.8 480,2010 731,1759 861,1759 956.26,1663.74 U1.9
PD0: J3.24 U1.81 | length 1340.5
  Top Layer w8: U1.81 1537.35,1947.35 1595.05,2005.05 2034.95,2005.05 2225,1815 2225,1575 2290,1510 J3.24
PD1: J3.25 U1.82 | length 1463.1
  Top Layer w8: U1.82 1517.67,1950.29 1588.43,2021.05 2048.95,2021.05 2245,1825 2245,1660 2350,1555 2545,1555 2556.69,1566.69 2556.69,1608.31 J3.25
PD2: J3.26 U1.83 | length 1341.7
  Top Layer w8: U1.83 1497.98,1953.24 1581.8,2037.05 1624.68,2037.05 2077.95,2037.05 2263.81,1851.19 2263.81,1663.81 2322.63,1605 2450,1605 J3.26
PD3: J3.27 U1.84 | length 1483.3
  Top Layer w8: U1.84 1478.3,1956.18 1577.12,2055 2090,2055 2279.81,1865.19 2279.81,1679.69 2294.5,1665 2535,1665 2545.23,1675.23 2545.23,1700.23 J3.27
PD4: J3.28 U1.85 | length 1334.9
  Top Layer w8: U1.85 1458.61,1959.12 1574.49,2075 2092.63,2075 2295.81,1871.81 2295.81,1745 2330.81,1710 J3.28
PD5: J3.29 U1.86 | length 1499.6
  Top Layer w8: U1.86 1438.93,1962.06 1576.86,2100 2115,2100 2315,1900 2315,1780 2335,1760 2550.31,1760 2555,1764.69 J3.29
PD6: J3.30 U1.87 | length 1359.1
  Top Layer w8: U1.87 1419.24,1965.01 1574.24,2120 2140,2120 2335,1925 2335,1830 2360,1805 2450,1805 J3.30
PD7: J3.31 U1.88 | length 1474.5
  Top Layer w8: U1.88 1399.56,1967.95 1570.61,2139 2146,2139 2360,1925 2360,1870 2370,1860 2515,1860 2555,1900 J3.31
PD8: J3.1 U1.55 | length 1590.5
  Top Layer w8: U1.55 1709.11,1427.02 1755.61,1427.02 1790,1392.63 1790,1150 2140,800 2140,635 2430,345 2540,345 2555.92,360.92 2555.92,367.55 2555,368.47 J3.1
PD9: J3.2 U1.56 | length 1401.7
  Top Layer w8: U1.56 1758.05,1447.2 1815,1390.25 1815,1147.63 2170,792.63 2170,650 2410,410 J3.2
PD10: J3.3 U1.57 | length 1526.9
  Top Layer w8: U1.57 1760.99,1466.89 1844,1383.88 1844,1146 2195,795 2195,680 2420,455 2545,455 2561.69,471.69 2561.69,503.31 J3.3
PD11: J3.4 U1.58 | length 1344.5
  Top Layer w8: U1.58 1763.94,1486.57 1860,1390.51 1860,1152.63 2220,792.63 2220,700 2410,510 J3.4
PD12: J3.5 U1.59 | length 1465.3
  Top Layer w8: U1.59 1768.74,1506.26 1876,1399 1876,1169 2245,800 2245,735 2425,555 2550,555 2555,560 J3.5
PD13: J3.6 U1.60 | length 1291.3
  Top Layer w8: U1.60 1771.68,1525.94 1892,1405.63 1892,1178 2270,800 2270,745 2396.14,618.86 2446.14,618.86 J3.6
PD14: J3.7 U1.61 | length 1450.3
  Top Layer w8: U1.61@1742.61,1544.63 1709.61,1544.63 U1.61 1774.63,1545.63 1908,1412.25 1908,1192 2301.31,798.69 2301.31,736.31 2372.63,665 2545,665 2555,675 J3.7
PD15: J3.8 U1.62 | length 1255.2
  Top Layer w8: U1.62 1783.51,1565.31 1924,1424.82 1924,1208 2320,812 2320,765 2375,710 J3.8
PE0: J3.39 U1.97 | length 2013.1
  Top Layer w8: U1.97 1222.39,2102.61 1171,2154 1171,2381 1200,2410 1675.25,2410 1785.25,2300 2295,2300 2345,2250 2436.27,2250 2451.27,2265 2540.31,2265 2545.23,2269.92 2545.23,2300.23 J3.39
PE1: J3.40 U1.98 | length 1887.5
  Top Layer w8: U1.98 1202.7,2087.3 1155,2135 1155,2405 1176,2426 1694,2426 1795,2325 2426.18,2325 2441.18,2310 J3.40
PE2: J2.1 U1.1 | length 1138.2
  Top Layer w8: J2.1 235,2355 255,2375 375,2375 455,2295 586.72,2295 1060.5,1821.22 U1.1
PE5: J2.4 U1.4 | length 941.3
  Top Layer w8: J2.4 600,2210 1011.5,1798.5 1011.5,1797.99 1046.33,1763.16 1089.5,1763.16 U1.4
PE6: J2.5 U1.5 | length 1071.3
  Top Layer w8: J2.5 233.31,2111.69 233.31,2143.31 250,2160 627.37,2160 971.19,1816.19 971.19,1815.68 1043.5,1743.37 1089.61,1743.37 U1.5
PE7: J2.26 U1.38 | length 1254.5
  Top Layer w8: v1(1275,1380) 1355,1380 1399.55,1335.45 U1.38
  Bottom Layer w8: J2.26 405,1180 1065,1180 1260,1375 1260,1375.31 1261.43,1376.75 1271.75,1376.75 v1(1275,1380)
PE8: J2.27 U1.39 | length 1385.3
  Top Layer w8: v1(1419.24,1180.76) U1.39
  Bottom Layer w8: J2.27 277.47,967.53 1206.01,967.53 v1(1419.24,1180.76)
PE9: J2.28 U1.40 | length 1324.4
  Top Layer w8: U1.40 v1(1438.93,1353.93)
  Bottom Layer w8: J2.28 1095,1010 v1(1438.93,1353.93)
PE10: J2.29 U1.41 | length 1438.1
  Top Layer w8: v1(1425,1140) 1458.61,1173.61 U1.41
  Bottom Layer w8: J2.29 235,915 271.53,951.53 1236.53,951.53 v1(1425,1140)
PE12: J2.31 U1.43 | length 1561.5
  Top Layer w8: v1(1410,1040) 1497.98,1127.98 U1.43
  Bottom Layer w8: J2.31 240,815 240,845 246.53,851.53 368.14,851.53 369.66,850 1220,850 v1(1410,1040)
PE15: J2.34 U1.46 | length 1599.3
  Top Layer w8: v1(1505,980) 1557.03,1032.03 U1.46
  Bottom Layer w8: J2.34 1235,710 v1(1505,980)
VCC3.3: C1.1 C2.2 C3.2 C4.1 C5.1 C6.1 C7.1 C9.1 C13.1 CON4.1 CON4.2 CON4.3 R3.1 R4.1 R7.1 R9.2 R11.2 R12.2 R13.2 R18.2 R24.2 U1.6 U1.11 U1.21 U1.22 U1.28 U1.50 U1.75 U1.100 U2.3 U3.5 | length 14659.8
  Top Layer w8: v1@385,2480 v1(385.23,2479.77) R11.2 ; v1(705,1240) 681.09,1216.09 U2.3 632.6,1162.4 705,1090 845,1090 850,1095 ; R3.1 850,1095 ; C2.2 907.15,1845 1029.35,1722.79 U1.6 1142.21,1722.79 1150,1715 1150,1675 ; C1.1 971,2074 971,2049 1120,1900 1162.34,1900 1163.34,1899 U1.100 1164.34,1893.05 1164.34,1855.77 1280,1740.1 ; U1.22 982.83,1407.83 930,1355 930,1225 1014.77,1140.23 C5.1 C4.1 ; U1.11 1139.37,1624.37 1150,1635 1150,1675 ; U3.5 1170.65,589.8 C13.1 ; C7.1 1202.7,1147.7 U1.28 1202.7,1407.7 1222.52,1427.52 ; R12.2 1339.32,40.68 R13.2 1345,35 1400,35 1425,60 v1(1425,470) 1425,540 1389.32,575.68 C13.1 ; R18.2 1364.77,2479.77 v1(1430,2545) 1495.23,2479.77 R24.2 ; R4.1 1429.32,2310.68 v1(1430,2310) ; U1.50 1635.78,1164.22 1784.32,1015.68 C9.1 1879.32,1015.68 1925,970 1925,930 1830.57,835.57 R7.1 1226.34,591.68 1200.77,591.68 C13.1 ; v1(1836.14,472.42) 1879.34,472.42 R9.2 ; C6.1 1952.86,1821.22 U1.75 1651.22,1821.22 1570,1740 1280.1,1740 1280,1740.1 ; CON4.1 CON4.2 CON4.3 ; 850,1095 850,1055 C3.2 894.08,1045 C4.1 ; C4.1 910,1110.45 910,1370 967.52,1427.52 U1.21 1222.52,1427.52 ; 1150,1675 1230,1675 1280,1625 ; 1222.52,1427.52 1280,1485 1280,1625 ; 1280,1625 1280,1740.1
  Bottom Layer w8: v1(705,1240) 703.34,1240 691.81,1251.53 146.53,1251.53 ; v1(1430,2310) v1(1430,2545) 1430,2640 ; v1(1836.14,472.42) 797.42,472.42 655,330 145,330 85,390 85,1190 146.53,1251.53 ; CON4.3 1430,2640 ; 146.53,1251.53 123.47,1251.53 30,1345 30,2375 115,2460 365,2460 622.5,2717.5 1352.5,2717.5 1430,2640
VCC5V: C14.1 CON2.1 CON2.2 CON2.3 Designator5.1 Designator7.1 R10.2 R16.1 U3.1 U3.3 USB1.A9 USB1.B9 | length 5790
  Top Layer w8: USB1.B9 780.95,446.86 R10.2 845.45,510 C14.1 925,515 U3.3 ; USB1.A9 900,245.75 900,360 v1(965,425) 990,450 ; U3.1 1035.2,589.8 1050,575 1050,525 1040,515 U3.3 ; v1(1327.37,525) 1290,525 1215,450 990,450 ; v1(1785,760) 2050,760 2098.69,711.31 R16.1 ; CON2.1 CON2.2 ; CON2.3 CON2.2 ; Designator5.1 2549.95,2549.95 2264.95,2549.95 CON2.2 ; 990,450 U3.3
  Bottom Layer w8: Designator7.1 770,170 965,365 v1(965,425) ; v1(1327.37,525) 1550,525 2255,1230 CON2.1
pads on no net: U3.4 USB1.A5 USB1.B5

## Polygon pours and split planes (outlines as drawn)
GND on Bottom Layer "GND_L02_P001" (solid, remove dead copper, pour order 1): 0,0 2755,0 2755,33.65 2755.91,34.56 2755,35.46 2755,2755 2714.29,2755 2712.87,2756.42 1.42,2756.42 0,2755
GND on Top Layer "GND_L01_P000" (solid, remove dead copper, pour order 0): 0,0 2755,0 2755.91,0.91 2755.91,2754.09 2754.09,2755.91 0.91,2755.91 0,2755

## Keep-outs
Keep-Out Layer:
  lines w10: 34.56,2755.12 ccw(c34.56,2720.56) 0,2720.56 0,39.37 ccw(c39.37,39.37) 39.37,0 2720.56,0 ; 34.56,2755.91 2713.38,2755.91 cw(c2713.38,2713.38) 2755.91,2713.38 2755.91,34.56 cw(c2720.56,34.56) 2720.56,-0.78

## Silkscreen, mask and mechanical layers (free items; w line width, h text height)
Top Overlay:
  rectangle: 650,760 666,925
  text "KEY3" at 1665,2700.67 h60
  text "V3.3" at 1995.06,2700.67 h60
  text "GND" at 2110,2700.67 h60
  text "5V" at 2250,2700.67 h60
  text "KEY1" at 580,2700 h60
  text "KEY2" at 1120,2700 h60
  text "5V" at 2418.33,2490 h150 r90
  text "GND" at 433.33,2445 h150 r90
  text "PE13" at 1802.32,2389.08 h60
  text "PE14" at 730,2388.42 h60
  text "PE11" at 987.32,2388.42 h60
  text "PE3" at 410,2295.67 h60
  text "PE0" at 2620,2295.67 h60
  text "PE2" at 50,2295 h60
  text "PE1" at 2255,2295 h60
  text "GND" at 1135,2260.67 h60
  text "VCC" at 1400.06,2250.67 h60
  text "PB9" at 2255,2195.67 h60
  text "PE5" at 410,2190.67 h60
  text "PB8" at 2620,2190.67 h60
  text "PE4" at 50,2190 h60
  text "BOOT0" at 1245,2175.67 h60
  text "PB7" at 2255,2095 h60
  text "PE6" at 50,2090.67 h60
  text "PC13" at 410,2090.67 h60
  text "PB6" at 2620,2090.67 h60
  text "PB5" at 2255,1995.67 h60
  text "PB4" at 2620,1995 h60
  text "PC15" at 410,1990.67 h60
  text "PC14" at 50,1985.67 h60
  text "PB3" at 2255,1895.67 h60
  text "PC0" at 50,1890.67 h60
  text "PC1" at 410,1890.67 h60
  text "PD7" at 2620,1880 h60
  text "PC3" at 410,1795.67 h60
  text "PD6" at 2255,1795.67 h60
  text "PC2" at 50,1790.67 h60
  text "PD5" at 2620,1785.67 h60
  text "PD4" at 2255,1695 h60
  text "PA0" at 50,1690.67 h60
  text "PD3" at 2620,1690.67 h60
  text "PA1" at 410,1690 h60
  text "PA2" at 50,1595 h60
  text "PD2" at 2255,1595 h60
  text "PA3" at 410,1590.67 h60
  text "PD1" at 2620,1585 h60
  text "PA4" at 50,1495 h60
  text "PA5" at 410,1490.67 h60
  text "PD0" at 2255,1490.67 h60
  text "PC12" at 2620,1490.67 h60
  text "PA6" at 50,1395.67 h60
  text "PC10" at 2620,1395.67 h60
  text "PA7" at 410,1395 h60
  text "PC11" at 2255,1385.67 h60
  text "PC4" at 50,1290.67 h60
  text "PC5" at 410,1290.67 h60
  text "PA14" at 2620,1290 h60
  text "PA15" at 2255,1285.67 h60
  text "PA13" at 2255,1195.67 h60
  text "PB0" at 50,1190.67 h60
  text "PB1" at 410,1190 h60
  text "PA12" at 2620,1190 h60
  text "PB2" at 50,1095 h60
  text "PE7" at 410,1095 h60
  text "PA11" at 2255,1095 h60
  text "PA10" at 2620,1090.67 h60
  text "PE8" at 50,990.67 h60
  text "PA8" at 2620,990.67 h60
  text "PE9" at 410,985.67 h60
  text "PA9" at 2255,985.67 h60
  text "PE10" at 50,890.67 h60
  text "PC9" at 2255,890.67 h60
  text "PC8" at 2620,890.67 h60
  text "PE11" at 410,890 h60
  text "Designed by" at 690,860 h100
  text "GND" at 1235,845.67 h60
  text "VCC" at 1505.06,840.67 h60
  text "PE13" at 410,790.67 h60
  text "PC7" at 2255,790.67 h60
  text "PC6" at 2620,790.67 h60
  text "PE12" at 50,790 h60
  text "Chenjd" at 690,760 h100
  text "BOOT1" at 1350,750.67 h60
  text "PE15" at 410,690.67 h60
  text "PD15" at 2255,690.67 h60
  text "PE14" at 50,690 h60
  text "PD14" at 2620,685 h60
  text "PB11" at 410,595 h60
  text "PB10" at 50,590.67 h60
  text "PD13" at 2255,590.67 h60
  text "PD12" at 2620,590 h60
  text "PA10" at 1720,565.67 h60
  text "PA9" at 1955,565.67 h60
  text "RX" at 1750,510.83 h60
  text "3V" at 1855,510.67 h60
  text "TX" at 1955,510.83 h60
  text "5V" at 2070,510.83 h60
  text "RST" at 2150,510.17 h60
  text "PD10" at 2620,495.67 h60
  text "PB13" at 410,490.67 h60
  text "PB12" at 50,490 h60
  text "PD11" at 2255,490 h60
  text "RST" at 1575,445.67 h60
  text "PD8" at 2620,395.67 h60
  text "PB15" at 410,385.67 h60
  text "PD9" at 2255,385.67 h60
  text "PB14" at 50,385 h60
  text "PE3" at 1109.45,355.67 h60
  text "PE4" at 1384.1,355 h60
  text "V3.3" at 1780.06,295.67 h60
  text "TMS" at 1910,295.67 h60
  text "TCK" at 2043.33,295.67 h60
  text "GND" at 2175,295.67 h60
  text "5V" at 2075,235.67 h60
  text "RST" at 2185,235.67 h60
  text "RXD" at 1790,235 h60
  text "TXD" at 1920,235 h60
  text "5V" at 431.67,85 h150 r90
  text "GND" at 2418.33,10 h150 r90
Bottom Overlay:
  drawing of 8682 lines, arcs and shapes, not listed